# KiCad board Farallon EtherMac LC Comm Slot Card 10Base-T v1.2.kicad_pcb
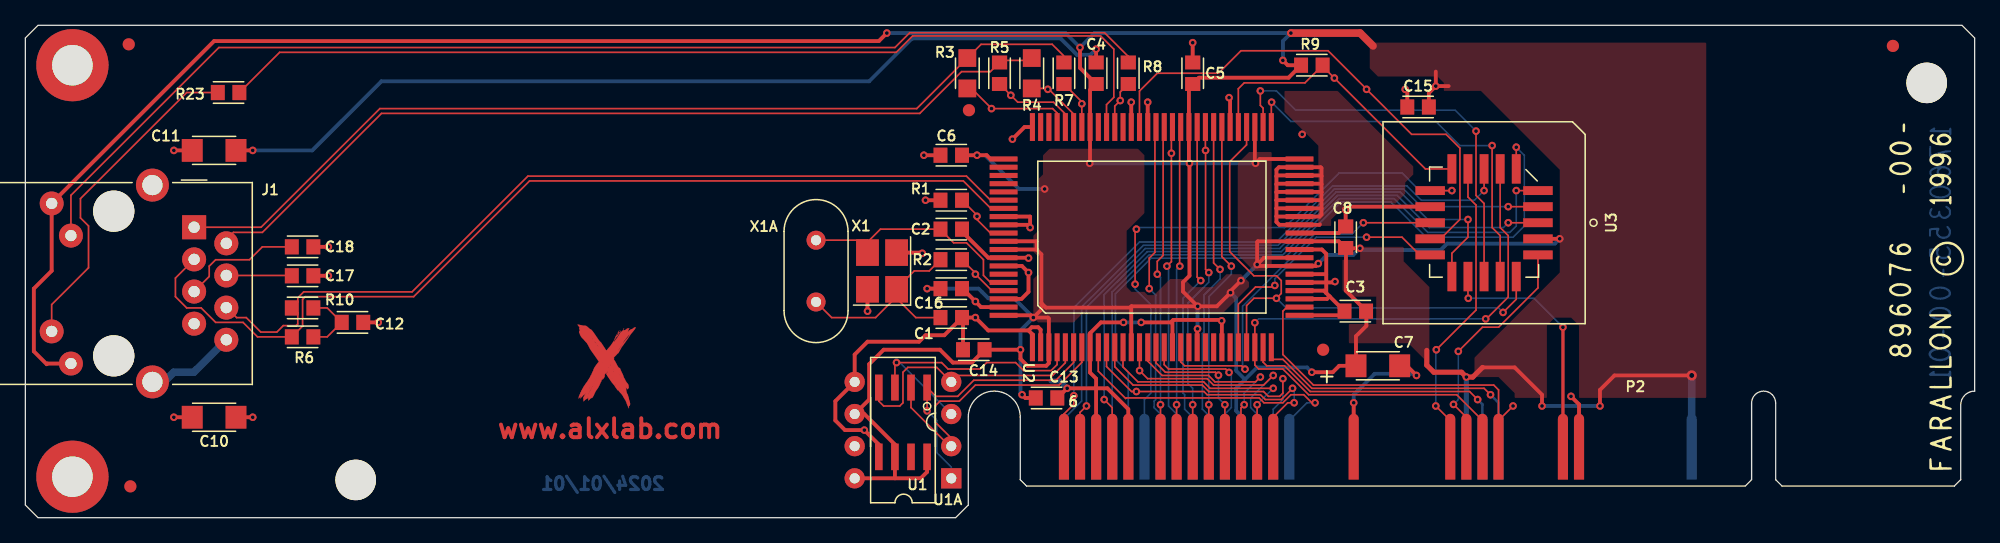
[diagram p0: board, top side]
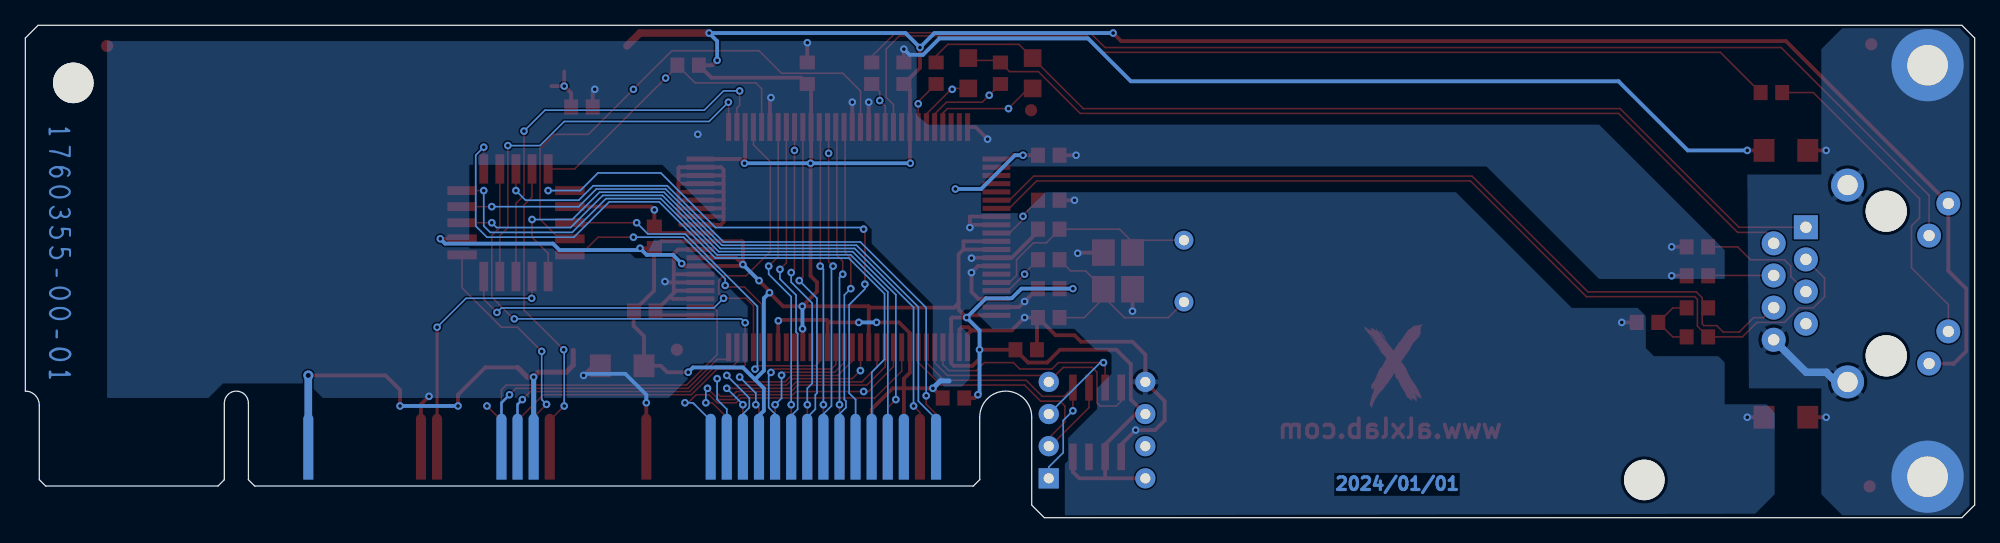
[diagram p1: board, bottom side, seen from below]

Outline 153.8 x 38.9 mm; copper layers: Top, Bottom. Coordinates in mm from the lower left corner of the outline.
Outline path: 1,38.9 0,37.9 0,1 1,0 73.4,0 74.4,1 74.4,7.95 arc(76.45,10) 78.5,7.95 78.5,3 79,2.5 ; 1,38.9 152.8,38.9 153.8,37.9 153.8,10 arc(153.03,9.68) 152.7,8.9 152.7,3 152.2,2.5 138.6,2.5 138.1,3 138.1,9.05 arc(137.15,10) 136.2,9.05 136.2,3 135.7,2.5 79,2.5
Stack: Top 0.035mm / dielectric 1.51mm FR4 er 4.5 / Bottom 0.035mm

## Placement (name value [footprint] x y rotation side)
C1  22pf  [Farallon_C_0603_1608Metric_Pad1.10x1.20mm_HandSolder]  73.06 15.81 0 top
C2  22pf  [Farallon_C_0603_1608Metric_Pad1.10x1.20mm_HandSolder]  73.06 22.79 180 top
C3  0.1uf  [Farallon_C_0603_1608Metric_Pad1.10x1.20mm_HandSolder]  104.94 16.32 0 top
C4  0.1uf  [Farallon_C_0603_1608Metric_Pad1.10x1.20mm_HandSolder]  84.49 35.11 270 top
C5  0.1uf  [Farallon_C_0603_1608Metric_Pad1.10x1.20mm_HandSolder]  92.11 35.11 270 top
C6  0.1uf  [Farallon_C_0603_1608Metric_Pad1.10x1.20mm_HandSolder]  73.06 28.64 0 top
C7  100uf 6.3V  [Farallon_C_1206_3216Metric_Pad1.65x1.80mm_HandSolder]  106.71 12 0 top
C8  0.1uf  [Farallon_C_0603_1608Metric_Pad1.10x1.20mm_HandSolder]  104.17 22.16 270 top
C10  1nf 2kv  [Farallon_C_1206_3216Metric_Pad1.65x1.80mm_HandSolder]  14.89 7.94 0 top
C11  1nf 2kv  [Farallon_C_1206_3216Metric_Pad1.65x1.80mm_HandSolder]  14.89 29.02 0 top
C12  0.1uf  [Farallon_C_0603_1608Metric_Pad1.10x1.20mm_HandSolder]  25.81 15.43 0 top
C13  0.1uf  [Farallon_C_0603_1608Metric_Pad1.10x1.20mm_HandSolder]  80.58 9.46 0 top
C14  0.1uf  [Farallon_C_0603_1608Metric_Pad1.10x1.20mm_HandSolder]  74.83 13.27 0 top
C15  0.1uf  [Farallon_C_0603_1608Metric_Pad1.10x1.20mm_HandSolder]  109.89 32.45 0 top
C16  0.1uf  [Farallon_C_0603_1608Metric_Pad1.10x1.20mm_HandSolder]  73.06 18.1 180 top
C17  0.1uf  [Farallon_C_0603_1608Metric_Pad1.10x1.20mm_HandSolder]  21.87 19.11 0 top
C18  0.1uf  [Farallon_C_0603_1608Metric_Pad1.10x1.20mm_HandSolder]  21.87 21.4 0 top
G***  LOGO  [Farallon_EtherMac_LC_Comm_Card_Back_Number]  151.04 20.89 90 top
G***#2  LOGO  [logo_7_front]  45.88 11.75 0 top
G***#3  LOGO  [Farallon_EtherMac_LC_Comm_Card_Front_Text]  150.02 17.46 90 top
H1  MountingHole_Pad  [MountingHole_3.2mm_M3_ISO7380_Pad_TopBottom]  3.71 35.75 0 top
H2  MountingHole_Pad  [MountingHole_3.2mm_M3_ISO7380_Pad_TopBottom]  3.71 3.24 0 top
J1  J0011D01BNL  [RJ45_Pulse_J0011D21xNL]  13.32 22.95 270 top
P2  -  [Farallon_EtherMac_LC_Comm_Card_BUS_Apple_Macintosh_Comm_Slot_I]  118.7 5.51 0 top
R1  22.1k  [Farallon_R_0603_1608Metric_Pad1.10x1.20mm_HandSolder]  73.06 25.08 0 top
R2  243  [Farallon_R_0603_1608Metric_Pad1.10x1.20mm_HandSolder]  73.06 20.38 0 top
R3  61.9  [Farallon_R_0805_2012Metric_Pad1.40x1.40mm_HandSolder]  74.33 35.11 270 top
R4  61.9  [Farallon_R_0805_2012Metric_Pad1.40x1.40mm_HandSolder]  79.41 35.11 270 top
R5  243  [Farallon_R_0603_1608Metric_Pad1.10x1.20mm_HandSolder]  76.87 35.11 270 top
R6  50  [Farallon_R_0603_1608Metric_Pad1.10x1.20mm_HandSolder]  21.87 14.29 0 top
R7  243  [Farallon_R_0603_1608Metric_Pad1.10x1.20mm_HandSolder]  81.95 35.11 90 top
R8  330  [Farallon_R_0603_1608Metric_Pad1.10x1.20mm_HandSolder]  87.03 35.11 90 top
R9  243  [Farallon_R_0603_1608Metric_Pad1.10x1.20mm_HandSolder]  101.51 35.75 180 top
R10  50  [Farallon_R_0603_1608Metric_Pad1.10x1.20mm_HandSolder]  21.87 16.57 0 top
R23  330  [Farallon_R_0603_1608Metric_Pad1.10x1.20mm_HandSolder]  16.04 33.59 180 top
REF**  -  [MountingHole_3.2mm_M3]  26.07 2.98 0 top
REF**#2  -  [MountingHole_3.2mm_M3]  150.02 34.35 0 top
U1  93C46C  [Farallon_SOIC-8_3.9x4.9mm_P1.27mm]  69.25 7.55 270 top
U1A1  93C46C  [Farallon_DIP-8_W7.62mm]  73.06 3.11 180 top
U2  SMC91C94QFP  [PQFP-100_14x20mm_P0.65mm_LongPad]  88.89 22.16 90 top
U3  GAL16V8  [Farallon_PLCC-20_SMD-Socket]  115.1 23.3 270 top
X1  20Mhz 16pf  [Crystal_SMD_3225-4Pin_3.2x2.5mm_HandSoldering]  67.59 19.49 90 top
X1A1  20Mhz 16pf  [Crystal_HC49-U_Vertical]  62.39 17.04 90 top  (not fitted)

## Library data of the parts
C1 C2 = -: LCSC: C1653; ki_fp_filters: C_*
C3-C6 C8 C12-C18 = -: LCSC: C14663; ki_fp_filters: C_*
C7 = -: LCSC: C15008; ki_fp_filters: C_*
C10 C11 = -: LCSC: C9196; ki_fp_filters: C_*
H1 H2 = -: ki_fp_filters: MountingHole*Pad*
J1 = -: Datasheet: https://productfinder.pulseeng.com/doc_type/WEB301/doc_num/J403/doc_part/J403.pdf; Description: 1 Port RJ45 Magjack Connector Through Hole 10/100 Base-T, AutoMDIX, PulseJack; ki_fp_filters: RJ45*Amphenol*RJMG1BD3B8K1ANR*
P2 = -: ki_fp_filters: LQFP*14x14mm*P0.5mm*
R1 = -: LCSC: C25961; ki_fp_filters: R_*
R2 R5 R7 R9 = -: LCSC: C706060; ki_fp_filters: R_*
R3 R4 = -: LCSC: C322537; ki_fp_filters: R_*
R6 R10 = -: LCSC: C23185; ki_fp_filters: R_*
R8 R23 = -: LCSC: C22962; ki_fp_filters: R_*
U1 = -: Description: Serial EEPROM, 93 Series, with ORG Pin, 5.0V, DIP-8/SOIC-8
U1A1 = -: Datasheet: http://ww1.microchip.com/downloads/en/DeviceDoc/20001749K.pdf; LCSC: C5289485; ki_fp_filters: DIP*W7.62mm* SOIC*3.9x4.9mm*
U2 = -: Datasheet: https://www.datasheets360.com/pdf/8063401169153099823; ki_fp_filters: LQFP*14x14mm*P0.5mm*
U3 = -: LCSC: C6548184; ki_fp_filters: DIP* PDIP* SOIC* SO* PLCC*
X1 = -: LCSC: C2848211; ki_fp_filters: Crystal*
X1A1 = -: ki_fp_filters: Crystal*

## Footprints (pads in the part's own frame, mm; a bottom-side part is the same pattern mirrored in y, then rotated)
Crystal_HC49-U_Vertical
  round 1.5 hole 0.8: 1(0,0) 2(4.88,0)
Crystal_SMD_3225-4Pin_3.2x2.5mm_HandSoldering
  rect 2.1x1.8 smd: 1(-1.45,-1.15) 2(1.45,-1.15) 3(1.45,1.15) 4(-1.45,1.15)
Farallon_C_0603_1608Metric_Pad1.10x1.20mm_HandSolder
  rect 1.1x1.2 smd: 1(-0.85,0) 2(0.85,0)
Farallon_C_1206_3216Metric_Pad1.65x1.80mm_HandSolder
  rect 1.65x1.8 smd: 1(-1.725,0) 2(1.725,0)
Farallon_DIP-8_W7.62mm
  rect 1.6x1.6 hole 0.8: 1(0,0)
  oval 1.6x1.6 hole 0.8: 2(0,-2.54) 3(0,-5.08) 4(0,-7.62) 5(7.62,-7.62) 6(7.62,-5.08) 7(7.62,-2.54) 8(7.62,0)
Farallon_EtherMac_LC_Comm_Card_BUS_Apple_Macintosh_Comm_Slot_I
  rrect 0.8x5.2 smd far side: 5(-36.755,0.1) 9(-34.215,0.1) 11(-32.945,0.1) 13(-31.675,0.1) 15(-30.405,0.1) 17(-29.135,0.1) 19(-27.865,0.1) 21(-26.595,0.1) 23(-25.325,0.1) 25(-24.055,0.1) 27(-22.785,0.1) 29(-21.515,0.1) 31(-20.245,0.1) 33(-18.975,0.1) 55(-5.005,0.1) 57(-3.735,0.1) 59(-2.465,0.1) 83(12.775,0.1)
  rrect 0.8x5.2 smd: 6(-36.755,0.1) 8(-35.485,0.1) 10(-34.215,0.1) 12(-32.945,0.1) 14(-31.675,0.1) 18(-29.135,0.1) 20(-27.865,0.1) 22(-26.595,0.1) 24(-25.325,0.1) 26(-24.055,0.1) 28(-22.785,0.1) 30(-21.515,0.1) 32(-20.245,0.1) 42(-13.895,0.1) 54(-6.275,0.1) 56(-5.005,0.1) 58(-3.735,0.1) 60(-2.465,0.1) 68(2.615,0.1) 70(3.885,0.1)
Farallon_PLCC-20_SMD-Socket
  rect 0.7x2.325 smd: 1(0,4.253) 2(-1.27,4.253) 3(-2.54,4.253) 9(-2.54,-4.253) 10(-1.27,-4.253) 11(0,-4.253) 12(1.27,-4.253) 13(2.54,-4.253) 19(2.54,4.253) 20(1.27,4.253)
  rect 2.325x0.7 smd: 4(-4.253,2.54) 5(-4.253,1.27) 6(-4.253,0) 7(-4.253,-1.27) 8(-4.253,-2.54) 14(4.253,-2.54) 15(4.253,-1.27) 16(4.253,0) 17(4.253,1.27) 18(4.253,2.54)
Farallon_R_0603_1608Metric_Pad1.10x1.20mm_HandSolder
  rect 1.1x1.2 smd: 1(-0.85,0) 2(0.85,0)
Farallon_R_0805_2012Metric_Pad1.40x1.40mm_HandSolder
  rect 1.4x1.4 smd: 1(-1.2,0) 2(1.2,0)
Farallon_SOIC-8_3.9x4.9mm_P1.27mm
  rect 2.05x0.6 smd: 1(-2.725,1.905) 2(-2.725,0.635) 3(-2.725,-0.635) 4(-2.725,-1.905)
  rect 2.1x0.6 smd: 5(2.75,-1.905) 6(2.75,-0.635) 7(2.75,0.635) 8(2.75,1.905)
MountingHole_3.2mm_M3
  round 3.2 hole 3.2 unplated: (0,0)
MountingHole_3.2mm_M3_ISO7380_Pad_TopBottom
  round 3.6 hole 3.2: 1(0,0)
  round 5.7 smd: 1(0,0)
  round 5.7 smd far side: 1(0,0)
PQFP-100_14x20mm_P0.65mm_LongPad
  rect 2.2x0.4 smd: 1(-8.7,9.425) 2(-8.7,8.775) 3(-8.7,8.125) 4(-8.7,7.475) 5(-8.7,6.825) 6(-8.7,6.175) 7(-8.7,5.525) 8(-8.7,4.875) 9(-8.7,4.225) 10(-8.7,3.575) 11(-8.7,2.925) 12(-8.7,2.275) 13(-8.7,1.625) 14(-8.7,0.975) 15(-8.7,0.325) 16(-8.7,-0.325) 17(-8.7,-0.975) 18(-8.7,-1.625) 19(-8.7,-2.275) 20(-8.7,-2.925) 21(-8.7,-3.575) 22(-8.7,-4.225) 23(-8.7,-4.875) 24(-8.7,-5.525) 25(-8.7,-6.175) 26(-8.7,-6.825) 27(-8.7,-7.475) 28(-8.7,-8.125) 29(-8.7,-8.775) 30(-8.7,-9.425) 51(8.7,-9.425) 52(8.7,-8.775) 53(8.7,-8.125) 54(8.7,-7.475) 55(8.7,-6.825) 56(8.7,-6.175) 57(8.7,-5.525) 58(8.7,-4.875) 59(8.7,-4.225) 60(8.7,-3.575) 61(8.7,-2.925) 62(8.7,-2.275) 63(8.7,-1.625) 64(8.7,-0.975) 65(8.7,-0.325) 66(8.7,0.325) 67(8.7,0.975) 68(8.7,1.625) 69(8.7,2.275) 70(8.7,2.925) 71(8.7,3.575) 72(8.7,4.225) 73(8.7,4.875) 74(8.7,5.525) 75(8.7,6.175) 76(8.7,6.825) 77(8.7,7.475) 78(8.7,8.125) 79(8.7,8.775) 80(8.7,9.425)
  rect 0.4x2.2 smd: 31(-6.175,-11.65) 32(-5.525,-11.65) 33(-4.875,-11.65) 34(-4.225,-11.65) 35(-3.575,-11.65) 36(-2.925,-11.65) 37(-2.275,-11.65) 38(-1.625,-11.65) 39(-0.975,-11.65) 40(-0.325,-11.65) 41(0.325,-11.65) 42(0.975,-11.65) 43(1.625,-11.65) 44(2.275,-11.65) 45(2.925,-11.65) 46(3.575,-11.65) 47(4.225,-11.65) 48(4.875,-11.65) 49(5.525,-11.65) 50(6.175,-11.65) 81(6.175,11.7) 82(5.525,11.7) 83(4.875,11.7) 84(4.225,11.7) 85(3.575,11.7) 86(2.925,11.7) 87(2.275,11.7) 88(1.625,11.7) 89(0.975,11.7) 90(0.325,11.7) 91(-0.325,11.7) 92(-0.975,11.7) 93(-1.625,11.7) 94(-2.275,11.7) 95(-2.925,11.7) 96(-3.575,11.7) 97(-4.225,11.7) 98(-4.875,11.7) 99(-5.525,11.7) 100(-6.175,11.7)
RJ45_Pulse_J0011D21xNL
  round 3.25 hole 3.25 unplated: (-1.27,-6.34) (10.16,-6.34)
  rect 1.9x1.9 hole 0.9: 1(0,0)
  round 1.9 hole 0.9: 2(1.27,2.54) 3(2.54,0) 4(3.81,2.54) 5(5.08,0) 6(6.35,2.54) 7(7.62,0) 8(8.89,2.54)
  round 1.89 hole 0.89: 9(-1.88,-11.24) 10(0.66,-9.72) 11(8.23,-11.24) 12(10.77,-9.72)
  round 2.6 hole 1.6: SH(-3.33,-3.29) SH(12.22,-3.29)

## Nets
+5V: C3.2 C4.2 C5.2 C6.2 C7.1 C8.2 C13.1 C14.2 C15.2 C16.2 J1.9 J1.12 P2.27 P2.55 P2.83 R9.2 U1.6 U1.8 U1A1.6 U1A1.8 U2.3 U2.13 U2.21 U2.37 U2.38 U2.40 U2.50 U2.53 U2.61 U2.73 U2.81 U2.91 U2.92 U2.100 U3.20
GND: C1.2 C2.1 C3.1 C4.1 C5.1 C6.1 C7.2 C8.1 C10.2 C11.2 C12.2 C13.2 C14.1 C15.1 C16.1 C17.2 C18.2 P2.10 P2.14 P2.42 P2.70 R1.1 U1.5 U1A1.5 U2.1 U2.2 U2.8 U2.18 U2.24 U2.31 U2.33 U2.34 U2.35 U2.36 U2.39 U2.41 U2.42 U2.43 U2.44 U2.45 U2.46 U2.47 U2.48 U2.49 U2.56 U2.66 U2.68 U2.80 U2.88 U2.89 U2.93 U2.94 U2.98 U2.99 U3.10 X1.2 X1.4
//DS: P2.6 U3.6
//DSACK1: P2.8 U3.14
//IO.CS.DSACL: P2.54 U3.7
//RESET: P2.15 U3.9
//SACTO.IRQ: P2.56 U3.19
/A0: P2.58 U2.28 U3.5
/A1: P2.57 U2.29
/A2: P2.59 U2.30
/A3: P2.60 U2.32
/A11c: P2.68 U3.15
/BALE/nWE: U2.27 U2.54 U3.18
/C16M: P2.12 U3.1
/D0: P2.24 U2.57
/D1: P2.23 U2.58
/D2: P2.22 U2.59
/D3: P2.21 U2.60
/D4: P2.20 U2.62
/D5: P2.19 U2.63
/D6: P2.18 U2.64
/D7: P2.17 U2.65
/D8: P2.33 U2.9
/D9: P2.32 U2.10
/D10: P2.31 U2.11
/D11: P2.30 U2.12
/D12: P2.29 U2.14
/D13: P2.28 U2.15
/D14: P2.26 U2.16
/D15: P2.25 U2.17
/EECS: U1.1 U1A1.1 U2.6
/EED0: U1.3 U1A1.3 U2.4
/EEDI: U1.4 U1A1.4 U2.5
/EESK: U1.2 U1A1.2 U2.7
/INTR0: U2.19 U3.11
/IOSIZE(0): P2.11 U3.3
/IOSIZE(1): P2.13 U3.4
/nIORD: U2.51 U3.17
/nIOWR: U2.52 U3.16
/nLNKLED: R8.1 U2.70
/nRXLED: R23.1 U2.71
/nSBHE/nCE2: U2.26 U3.13
/nWAIT: R9.1 U2.55 U3.8
/RD+: J1.3 R6.1 U2.87
/RD-: J1.6 R10.1 U2.86
/RESET: U2.67 U3.12
/RW: P2.5 U3.2
/SHIELD: C10.1 C11.1 H1.1 H2.1 J1.8 J1.SH
/TD+: J1.1 R3.1 R7.2
/TD-: J1.2 R4.1 R5.1
Net-(C1-Pad1): C1.1 R2.1 X1.1 X1A1.1
Net-(C12-Pad1): C12.1 R6.2 R10.2
Net-(J1-GLED-): J1.10 R8.2
Net-(J1-RCT): C18.1 J1.5
Net-(J1-TCT): C17.1 J1.4
Net-(J1-YLED-): J1.11 R23.2
Net-(U2-RBIAS): R1.2 U2.90
Net-(U2-TPETXDN): R5.2 U2.76
Net-(U2-TPETXDP): R7.1 U2.74
Net-(U2-TPETXN): R4.2 U2.75
Net-(U2-TPETXP): R3.2 U2.77
Net-(U2-XTAL1): C2.2 U2.96 X1.3 X1A1.2
Net-(U2-XTAL2): R2.2 U2.97

Pads without a net: J1 7; P2 9; U1 7; U1A1 7; U2 20 22 23 25 69 72 78 79 82 83 84 85 95

## Via types
v1: diameter 0.6, hole 0.3, Top to Bottom, 132 vias
v2: diameter 0.8, hole 0.4, Top to Bottom, 1 via

## Routing (per net, layer and track width the routed paths; a pad name or vN(x,y) marks a point on that pad's centre or on a via; arc(x,y) is an arc through that point)
+5V: length 409.1
  Top w0.3: 87.28,16.7 87.18,16.59 80.53,16.59 80.17,16.95 ; 87.28,16.7 v1(92.5,16.7) ; 87.28,16.7 87.26,16.68 87.26,13.36 ; v1(124.24,8.82) 124.24,10.09 125.38,11.24 v2(131.48,11.24) ; 83.93,28.05 v1(83.98,28) 84.01,28.03 84.01,33.78 C4.2 83.22,35.53 v1(83.22,37.15) ; v1(97.19,20) 97.73,20.54 U2.38 ; v1(97.19,20) 97.19,21.78 97.25,21.84 103.62,21.84 104.17,21.28 v1(105.3,21.28) ; v1(97.19,20) 97.3,19.89 U2.37 101.83,19.89 v1(102.02,20.08) ; v1(99.22,36.13) 99.6,35.75 R9.2 99.67,34.76 92.6,34.76 C5.2 91.81,33.96 91.81,28.05 v1(91.85,28) 91.85,19.11 91.34,18.6 91.34,17.86 v1(92.5,16.7) ; v1(111.29,34.1) 110.74,33.55 C15.2 ; v1(111.29,34.1) 111.29,35.24 ; v1(111.29,34.1) 112.3,34.1 ; U1A1.6 66.58,9.33 66.58,12.13 67.72,13.27 72.17,13.27 73.18,12.25 74.68,12.25 75.7,13.27 v1(78.52,13.27) 78.52,12.55 79.07,12 80.55,12 80.76,12.21 80.76,15.73 80.68,15.81 v1(79.53,15.81) ; U1A1.6 66.2,8.19 68.61,5.78 68.61,3.11 ; U1A1.6 65.44,8.21 ; v1(67.98,38.29) 67.34,37.65 14.89,37.65 2.08,24.84 ; C13.1 78.9,9.46 v1(78.64,9.71) ; v1(95.92,18.73) 95.09,17.91 v1(95.09,17.78) 94.01,16.7 v1(92.5,16.7) ; C6.2 v1(75.09,28.64) 75.85,28.64 76.15,28.34 77.18,28.34 ; J1.12 1.74,12.18 1.69,12.13 0.67,13.14 0.67,18.1 2.08,19.5 J1.9 ; 77.18,15.99 79.35,15.99 v1(79.53,15.81) ; v1(119.67,8.82) 119.67,9.71 117.51,11.87 114.97,11.87 ; U1.8 71.15,3.62 70.64,3.11 65.42,3.11 ; 92.38,14.81 v1(92.49,14.92) 92.46,14.89 92.46,13.36 ; v1(71.15,18.1) C16.2 ; 79.79,21.19 80.17,20.81 80.17,16.95 ; 79.79,21.19 79.79,21.84 77.18,21.84 ; 79.79,21.19 77.18,21.19 ; v1(79.53,15.81) 80.17,16.44 80.17,16.95 ; v1(101.51,11.49) 103.16,11.49 103.67,12 C7.1 104.99,14.34 105.81,15.16 105.81,16.32 104.2,17.93 104.2,21.26 ; v1(121.07,22.03) U3.20 ; U2.53 97.01,28.05 v1(97.06,28) 97.4,28.34 U2.50
  Top w0.4: 114.97,11.87 114.21,11.11 v1(113.7,11.11) 113.32,11.49 111.13,11.49 110.58,12.05 110.58,13.22
  Top w0.6: 106.33,37.27 105.32,38.29 v1(99.86,38.29)
  Bottom w0.3: v1(92.49,14.92) 92.49,16.68 v1(92.5,16.7) ; v1(121.07,22.03) 120.68,21.65 112.18,21.65 111.67,21.14 105.44,21.14 v1(105.3,21.28) 104.78,20.76 102.7,20.76 v1(102.02,20.08) ; 95.92,18.73 v1(97.19,20) ; v1(78.64,9.71) 78.52,9.84 v1(78.52,13.27) 78.52,14.79 v1(79.53,15.81) 78.01,17.33 75.98,17.33 75.21,18.1 v1(71.15,18.1) ; 95.92,5.9 95.92,8.06 95.53,8.44 95.53,10.22 96.23,10.92 95.53,11.62 95.53,17.33 v1(95.09,17.78) ; v1(80.42,25.97) 78.39,25.97 75.72,28.64 v1(75.09,28.64) ; v1(119.67,8.82) v1(124.24,8.82) ; 96.24,10.92 97.19,11.87 101.13,11.87 v1(101.51,11.49) ; v1(97.06,28) 91.86,28 ; v1(67.98,38.29) 82.07,38.29 v1(83.22,37.15) 84.36,38.29 v1(99.86,38.29) 99.22,37.65 v1(99.22,36.13) ; v1(91.85,28) v1(83.98,28)
  Bottom w0.4: v1(113.7,11.11) 113.7,5.9
  Bottom w0.6: 131.48,5.9 131.48,11.24 v2(131.48,11.24)
GND: length 267.7
  Top w0.127: 74.92,17.08 v1(74.96,17.08) 74.96,17.04
  Top w0.3: C16.1 73.94,18.1 v1(74.96,17.08) 75.4,16.64 77.18,16.64 ; 100.68,26.39 102.23,26.39 102.27,26.35 ; U1.5 67.34,5.78 v1(66.2,6.92) 64.67,6.92 63.91,7.68 63.91,9.21 U1A1.5 65.44,12.89 66.45,13.9 70.52,13.9 71.02,14.41 72.51,14.41 C1.2 ; 102.64,17.75 102.9,17.49 ; 102.64,17.75 102.45,17.94 U2.34 ; 102.64,17.75 102.64,20.85 102.3,21.19 U2.39 ; 102.9,17.49 102.71,17.29 100.68,17.29 ; 102.9,17.49 104.06,16.33 104.06,16.32 103.73,15.99 U2.31 ; 79.46,30.86 78.84,30.86 v1(77.88,29.91) ; C12.2 v1(27.84,15.43) ; 95.06,30.86 95.06,33.1 v1(94.98,33.18) ; C1.2 73.98,15.73 C14.1 ; C1.2 v1(74.96,15.81) 75.98,14.79 79.15,14.79 ; C1.2 73.92,15.81 ; 92.11,36.47 v1(92.11,37.53) ; 102.27,26.35 102.27,26.99 ; 102.27,26.35 102.27,25.72 ; 102.27,26.99 102.27,27.62 102.2,27.69 U2.49 ; 102.27,26.99 102.22,27.04 U2.48 98.77,27.04 98.71,26.99 ; 77.18,17.29 78.6,17.29 79.15,17.84 v1(79.15,19.37) 78.63,19.89 77.18,19.89 ; 98.71,25.08 98.72,25.09 U2.45 ; 98.71,25.08 98.71,24.45 ; 98.71,25.08 98.71,25.72 ; P2.42 104.81,9.08 v1(104.81,9.08) ; C13.2 81.44,9.46 v1(82.2,10.22) 85.37,10.22 87.02,8.57 87.02,5.9 ; v1(88.04,15.43) 90.39,15.43 90.58,15.62 ; 79.46,13.46 79.46,14.49 79.15,14.79 ; C2.1 73.91,22.61 75.98,20.54 79.12,20.54 v1(79.15,20.51) ; 102.26,25.09 102.27,25.08 102.27,24.45 ; 102.26,25.09 102.26,25.71 102.27,25.72 ; 102.26,25.09 100.68,25.09 ; 66.45,18.04 X1.4 66.44,16.32 v1(66.45,16.32) ; 98.71,26.35 98.75,26.39 U2.47 ; 98.71,26.35 98.71,26.99 ; 98.71,26.35 98.71,25.72 ; v1(109.76,11.24) 109,12 C7.2 ; 79.15,14.79 79.41,15.05 79.91,15.05 80.11,14.85 80.11,13.46 ; 77.18,23.79 79.28,23.79 v1(79.28,22.92) 79.06,23.14 77.18,23.14 ; C17.2 v1(23.91,19.11) ; X1.2 70.72,20.94 v1(70.77,20.89) ; 102.27,24.45 102.26,24.44 U2.44 98.72,24.44 98.71,24.45 ; 102.27,24.45 102.27,23.94 102.12,23.79 U2.43 98.74,23.79 98.71,23.81 ; 90.58,15.62 94.32,15.62 v1(94.39,15.56) 94.41,15.54 94.41,13.46 ; 90.58,15.62 90.51,15.55 90.51,13.46 ; 102.27,25.72 102.25,25.74 100.68,25.74 ; 98.71,24.45 98.71,23.81 ; C18.2 v1(23.91,21.4) ; v1(121.95,9.59) 122.59,8.95 122.59,5.9 ; 98.71,26.99 98.71,27.49 98.91,27.69 100.55,27.69 ; R1.1 v1(71.02,25.08) ; U2.46 98.74,25.74 98.71,25.72 ; 98.71,23.81 98.71,23.37 98.94,23.14 U2.42 102.1,23.14 102.14,23.18 ; v1(86.64,15.43) 84.86,15.43 84.01,14.57 84.01,11.46 84.49,10.98 84.49,10.35 84.48,5.9 ; U2.35 103.27,18.59 ; C15.1 109.04,33.68 v1(108.87,33.84) ; 84.49,36.48 v1(84.49,37.02) ; v1(88.56,32.83) 88.56,30.86 ; U2.36 102.64,19.24 ; v1(87.26,32.83) 87.26,30.86 ; C10.2 v1(17.94,7.94) ; U2.41 103.63,22.49 104.17,23.03 v1(104.17,24.32) 104.43,24.57 U3.10 ; C11.2 v1(17.94,29.02) ; C6.1 v1(70.9,28.64)
  Top w0.4: 103.27,18.59 v1(103.34,18.65) ; 81.44,9.47 C13.2
  Bottom w0.3: v1(86.64,15.43) v1(88.04,15.43) ; v1(17.94,29.02) 22.64,29.02 28.1,34.48 66.58,34.48 69.96,37.86 81.69,37.86 81.69,37.85 82.98,36.57 84.04,36.57 v1(84.49,37.02) ; v1(104.81,9.08) 104.81,9.71 106.46,11.36 109.64,11.36 v1(109.76,11.24)
  Bottom w0.4: 80.93,10.81 81.62,10.81 v1(82.2,10.22)
  vias: v1(100.75,30.29)
//DS: length 50.2
  Top w0.127: 81.95,5.61 81.95,8.19 82.73,8.97 v1(82.73,9.63) ; v1(115.1,25.84) U3.6
  Bottom w0.127: v1(82.73,9.63) 82.73,16.59 87.91,21.78 98.71,21.78 103.16,26.22 109,26.22 110.14,25.08 114.33,25.08 v1(115.1,25.84)
//DSACK1: length 51
  Top w0.127: 83.21,5.61 83.21,8.32 v1(83.72,8.82) ; U3.14 112.56,20.89 113.83,22.16 v1(113.83,23.56)
  Bottom w0.127: v1(113.83,23.56) 110.65,23.56 108.49,25.72 103.41,25.72 98.97,21.27 88.38,21.27 ; v1(83.72,8.82) 83.72,16.62 88.37,21.27
//IO.CS.DSACL: length 23.7
  Top w0.127: U3.7 113.83,25.33 114.46,24.7 114.46,16.4 v1(111.33,13.27) ; 112.43,5.9 112.43,7.68 v1(111.29,8.82)
  Bottom w0.127: v1(111.33,13.27) 111.29,13.23 v1(111.29,8.82)
//RESET: length 46.7
  Top w0.127: v1(87.56,18.45) 87.56,22.69 v1(87.66,22.79) ; v1(112.56,25.84) U3.9
  Bottom w0.127: v1(112.56,25.84) 110.02,25.84 108.62,27.24 103.67,27.24 99.35,22.92 87.79,22.92 v1(87.66,22.79) ; v1(87.56,18.45) 87.56,18.07 88.8,16.83 88.8,9.84 88.3,9.33 88.3,5.9
//SACTO.IRQ: length 18.9
  Top w0.127: 119.35,20.7 119.35,18.16 116.24,15.05 114.97,15.05 v1(113.06,13.14) 113.19,13.14 ; 113.7,5.9 113.7,7.94 v1(112.68,8.95)
  Bottom w0.127: v1(112.68,8.95) 113.06,9.33 v1(113.06,13.14)
/A0: length 56.2
  Top w0.127: 114.97,5.9 114.97,7.68 112.94,9.71 101.25,9.71 99.22,11.75 97.32,11.75 97.01,12.05 U2.28 ; 116.15,27.24 116.16,27.25 ; v1(97.01,15.4) 97.01,13.44 ; U3.5 116.37,22.92 117,22.29 117,17.43 115.28,15.71 v1(115.22,15.71)
  Bottom w0.127: v1(115.22,15.71) 97.32,15.71 v1(97.01,15.4)
/A1: length 22.9
  Top w0.127: U2.29 97.66,12.29 97.95,12 99.35,12 101.38,9.97 113.95,9.97 v1(114.59,9.33)
  Bottom w0.2: v1(114.59,9.33) 114.97,8.95 114.97,5.9
/A2: length 23.5
  Top w0.127: U2.30 98.31,12.53 98.33,12.51 99.22,12.51 101.51,10.22 115.1,10.22 v1(115.6,9.71)
  Bottom w0.2: 116.24,5.9 116.24,9.08 v1(115.6,9.71)
/A3: length 27.1
  Top w0.127: v1(117.38,8.82) 116.24,7.68 116.24,10.1 115.86,10.48 101.63,10.48 99.22,12.89 99.22,16.32 99.54,16.64 U2.32
/A11c: length 19.3
  Top w0.127: U3.15 113.83,17.36 v1(113.85,17.33)
  Top w0.25: v1(121.32,15.05) 121.32,5.9
  Bottom w0.127: v1(121.32,15.05) 119.03,17.33 v1(113.85,17.33)
/BALE/nWE: length 45.1
  Top w0.127: 96.36,16.76 96.94,17.33 v1(98.71,17.33) 99.09,17.71 99.09,18.73 98.71,19.11 96.94,19.11 95.03,21.02 ; v1(116.59,16.22) 117.64,17.26 117.64,19.67 ; 95.03,21.02 95.03,28.13 96.36,29.46 96.36,30.86 ; 96.36,13.46 96.36,16.76
  Bottom w0.127: v1(116.59,16.22) 116.24,16.57 99.48,16.57 v1(98.71,17.33)
/C16M: length 50.7
  Top w0.127: v1(85.12,9.33) 85.75,8.7 85.75,5.9 ; v1(117,23.3) U3.1
  Bottom w0.127: 88.53,21.02 99.09,21.02 103.54,25.46 108.24,25.46 110.78,22.92 116.62,22.92 v1(117,23.3) ; v1(85.12,9.33) 85.12,17.61 88.52,21.02
/D0: length 26
  Top w0.127: 94.41,30.86 94.41,20.62 v1(95.15,19.87) ; 93.37,5.9 v1(93.37,8.93)
  Bottom w0.127: v1(93.38,8.93) 93.38,17.46 95.15,19.24 v1(95.15,19.87)
/D1: length 26.1
  Top w0.127: 93.76,30.96 93.76,20.13 v1(94.26,19.62)
  Bottom w0.127: v1(94.26,19.62) 94.26,18.86 92.99,17.59 92.99,14.67 92.87,14.54 92.87,8.57 93.37,8.06 93.37,5.9
/D2: length 26.2
  Top w0.127: 92.11,5.9 v1(92.11,8.93) ; v1(93.12,29.02) 93.12,19.62 v1(93.38,19.37) ; v1(93.12,29.02) 93.11,29.03 93.11,30.96 ; v1(93.12,29.02) 93.03,28.92
  Bottom w0.127: v1(92.11,8.93) 92.11,10.22 91.72,10.6 91.72,16.95 93.38,18.6 v1(93.38,19.37)
/D3: length 26.4
  Top w0.127: 92.46,30.96 92.46,19.01 v1(92.74,18.73) 92.49,18.98
  Bottom w0.127: 92.11,5.9 92.11,7.94 91.47,8.57 91.47,9.71 91.34,9.84 91.34,17.33 v1(92.74,18.73)
/D4: length 25.2
  Top w0.127: 91.08,30.96 91.08,19.89 v1(91.09,19.87) ; 90.83,5.9 v1(90.83,8.93)
  Bottom w0.127: v1(90.84,8.93) 90.84,19.62 v1(91.09,19.87)
/D5: length 27.7
  Top w0.127: 90.43,30.96 v1(90.43,28.79) 90.43,20.23 v1(90.07,19.87)
  Bottom w0.127: v1(90.07,19.87) 90.2,19.75 90.2,8.82 90.83,8.19 90.83,5.9 90.83,8.06
/D6: length 25.4
  Top w0.127: 89.78,30.96 89.78,20.72 89.31,20.25 v1(89.31,19.24) ; 89.56,5.9 v1(89.56,8.93)
  Bottom w0.127: v1(89.57,8.93) 89.57,18.98 v1(89.31,19.24)
/D7: length 25.7
  Top w0.127: 89.13,30.96 89.13,20.96 88.68,20.51 v1(88.68,18.1)
  Bottom w0.127: v1(88.68,18.1) 89.18,17.59 89.18,9.33 89.06,9.21 89.06,8.7 89.56,8.19 89.56,5.9
/D8: length 25
  Top w0.127: 86.81,9.42 84.66,11.57 84.66,13.46 ; v1(101.76,9.08) 101.51,9.08 100.87,9.71 99.86,9.71 99.22,9.08 97.73,9.08 97.35,9.46 86.86,9.46 86.82,9.42
  Bottom w0.127: 99.73,5.9 99.73,7.68 101.13,9.08 v1(101.76,9.08)
/D9: length 23
  Top w0.127: v1(99.98,10.22) 99.09,9.33 97.84,9.33 97.45,9.71 93.25,9.71 92.99,9.97 v1(87.66,9.97) 87.28,9.97 85.31,11.94 85.31,13.46 ; v1(100.11,9.08) 99.6,9.08 98.46,7.94 98.46,5.9
  Bottom w0.127: v1(100.11,9.08) 100.11,10.09 v1(99.98,10.22)
/D10: length 22.4
  Top w0.127: v1(99.22,10.98) 99.22,9.84 98.97,9.59 98.08,9.59 97.7,9.97 93.38,9.97 92.87,10.48 87.41,10.48 85.96,11.93 85.96,13.46
  Bottom w0.127: v1(99.22,10.98) 99.22,9.33 98.46,8.57 98.46,5.9
/D11: length 18.9
  Top w0.127: v1(97.19,8.93) 97.19,8.93 97.19,5.9 ; v1(98.46,10.22) 93.48,10.22 ; 86.61,13.46 86.61,11.91 87.79,10.73 92.97,10.73 93.48,10.22
  Bottom w0.127: v1(97.19,8.93) 97.19,8.95 v1(98.46,10.22)
/D12: length 19.6
  Top w0.127: 87.91,13.46 87.91,11.63 v1(87.91,11.62) ; v1(87.91,11.62) 88.55,10.98 93.25,10.98 93.76,10.48 97.7,10.48 v1(98.46,11.24) ; v1(87.91,11.62) 87.91,11.75
  Bottom w0.127: v1(98.46,11.24) 96.68,9.46 96.68,8.7 97.19,8.19 97.19,5.9
/D13: length 16.7
  Top w0.127: v1(97.44,11.11) 97.06,10.73 93.86,10.73 93.35,11.24 89.69,11.24 88.56,12.37 88.56,13.46 ; 95.92,5.9 95.92,8.67 v1(96.17,8.93)
  Bottom w0.127: v1(96.17,8.93) 96.17,9.84 ; 96.17,9.84 v1(97.44,11.11)
/D14: length 12.2
  Top w0.127: v1(94.14,11.26) 93.9,11.49 89.95,11.49 89.21,12.23 89.21,13.46 ; 94.64,5.9 v1(94.64,8.93)
  Bottom w0.127: 94.65,8.95 v1(94.65,8.93) 94.14,9.43 v1(94.14,11.26)
/D15: length 12.6
  Top w0.127: v1(94.98,11.48) 94.71,11.75 90.2,11.75 89.86,12.09 89.86,13.46
  Bottom w0.127: v1(94.98,11.48) 94.98,11.42 95.15,11.24 95.15,8.7 94.64,8.19 94.64,5.9
/EECS: length 22.1
  Top w0.127: v1(71.15,8.44) U1.1 71.84,9.59 73.56,9.59 74.83,10.86 81.31,10.86 82.71,12.25 82.71,13.46
  Bottom w0.127: 73.04,3.11 U1A1.1 73.06,4 71.91,5.14 71.91,7.68 v1(71.15,8.44)
/EED0: length 23
  Top w0.127: 81.41,13.46 81.41,12.1 80.93,11.62 78.77,11.62 78.14,12.25 75.85,12.25 75.34,11.75 72.8,11.75 72.29,12.25 v1(68.74,12.25) 68.61,12.13 U1.3
  Bottom w0.127: v1(68.74,12.25) 68.99,12.25 U1A1.3 ; 72.79,7.95 72.81,7.95
/EEDI: length 20.9
  Top w0.127: 82.06,13.46 82.06,12.24 81.06,11.24 73.56,11.24 U1A1.4 71.91,11.87 69.63,11.87 69.25,11.49 69.25,9.08 68.99,8.82 67.72,8.82 67.34,9.21 U1.4
/EESK: length 23.9
  Top w0.127: U1.2 69.88,8.7 72.93,5.65 U1A1.2 73.06,6.28 71.79,7.55 71.79,8.82 72.17,9.21 73.69,9.21 74.96,10.48 81.56,10.48 83.36,12.27 83.36,13.46
/INTR0: length 29.1
  Top w0.127: v1(105.57,23.3) U3.11 ; 91.16,13.46 91.16,12.31 91.47,12 95.97,12 v1(96.23,11.74)
  Bottom w0.127: 96.05,16.7 100.04,20.69 100.04,20.71 101.74,22.41 104.68,22.41 v1(105.57,23.3) ; 96.04,16.7 96.04,11.93 v1(96.23,11.74)
/IOSIZE(0): length 52.7
  Top w0.127: v1(117.64,25.84) U3.3
  Bottom w0.127: 85.75,5.9 85.75,17.84 88.68,20.76 ; 88.68,20.76 99.22,20.76 103.67,25.21 107.99,25.21 110.66,22.54 117.13,22.54 117.64,23.05 v1(117.64,25.84)
/IOSIZE(1): length 57.2
  Top w0.127: v1(117.64,29.27) U3.4
  Bottom w0.127: v1(117.64,29.27) 118.27,28.64 118.27,23.05 117.38,22.16 110.52,22.16 107.73,24.95 103.79,24.95 99.35,20.51 88.83,20.51 ; 88.83,20.51 86.01,17.69 86.01,12.51 87.02,11.49 87.02,5.9
/nIORD: length 31.4
  Top w0.127: U2.51 98.31,32.81 v1(98.33,32.83) ; v1(115.73,29.4) 115.73,22.92 116.37,22.29 U3.17
  Bottom w0.127: v1(115.73,29.4) 113.19,29.4 111.29,31.3 99.86,31.3 v1(98.33,32.83)
/nIOWR: length 33
  Top w0.127: v1(114.46,30.54) 114.46,25.46 115.1,24.83 U3.16 ; U2.52 97.66,32.36 97.44,32.57 v1(97.44,33.72)
  Bottom w0.127: v1(114.46,30.54) 112.81,32.19 100.24,32.19 98.71,33.72 v1(97.44,33.72)
/nLNKLED: length 3.8
  Top w0.127: R8.1 86.39,33.63 v1(86.39,32.95) 85.96,32.52 85.96,30.86
/nRXLED: length 77.7
  Top w0.127: R23.1 20.06,36.76 68.72,36.76 70.01,38.06 84.84,38.06 85.88,37.02 85.88,33.21 85.31,32.63 85.31,30.86
/nSBHE/nCE2: length 21.6
  Top w0.127: 95.71,16.87 97.06,18.22 98.46,18.22 v1(98.59,18.35) ; U3.13 110.02,20.76 108.62,22.16 v1(105.83,22.16) ; 95.71,13.46 95.71,16.87
  Bottom w0.127: v1(98.59,18.35) 98.59,18.88 101.87,22.16 v1(105.83,22.16)
/nWAIT: length 24.1
  Top w0.127: 95.71,30.86 95.71,33.89 96.17,34.35 ; 96.17,34.35 100.96,34.35 R9.1 102.36,35.66 v1(103.29,34.73) 110.46,27.56 U3.8
/RD+: length 77.5
  Top w0.127: 77.18,24.44 76.18,24.44 74.01,26.6 39.78,26.6 30.64,17.46 22.08,17.46 21.87,17.25 21.87,15.14 R6.1 18.32,14.29 17.18,15.43 15.02,15.43 13.87,16.57 12.73,16.57 11.84,17.46 11.84,18.93 J1.3
/RD-: length 69.7
  Top w0.127: 15.88,16.57 J1.6 15.88,16.6 16.67,15.81 17.43,15.81 18.57,14.67 19.84,14.67 20.35,15.17 21.37,15.17 21.49,15.3 21.49,16.19 21.11,16.57 R10.1 21.49,17.04 21.49,17.37 21.96,17.84 30.51,17.84 39.65,26.99 74.25,26.99 76.15,25.09 77.18,25.09
/RESET: length 41.2
  Top w0.127: 95.92,36.89 94.14,35.11 89.31,35.11 87.91,33.71 87.91,30.86 ; 95.92,36.89 102.79,36.89 105.83,33.85 v1(105.83,33.84) 109.38,30.29 112.1,30.29 113.19,29.19 113.19,23.57 111.66,22.03 U3.12
/RW: length 51.8
  Top w0.127: v1(117,24.57) U3.2
  Bottom w0.127: 81.95,5.9 81.95,7.81 83.34,9.21 83.34,16.65 88.22,21.52 ; 88.22,21.52 98.84,21.52 103.29,25.97 108.75,25.97 110.14,24.57 v1(117,24.57)
/SHIELD: length 10.1
  Top w0.3: C11.1 v1(11.72,29.02) ; C10.1 v1(11.72,7.94)
  Bottom w0.6: J1.SH 10.95,10.73 11.71,11.49 13.29,11.49 J1.8
/TD+: length 75
  Top w0.127: J1.1 18.6,22.95 27.97,32.32 70.33,32.32 R3.1 75.41,37.4 81.02,37.4 81.91,36.51 81.91,36.49
/TD-: length 69.8
  Top w0.127: R4.1 79.22,36.13 77.03,36.13 76.14,35.24 73.87,35.24 70.57,31.94 28.1,31.94 18.7,22.54 16.42,22.54 15.86,21.98 J1.2
Net-(C1-Pad1): length 17.4
  Top w0.127: X1.1 68.74,17.33 70.26,15.81 C1.1 ; X1.1 68.74,18.1 70.13,19.49 71.32,19.49 R2.1 ; X1.1 68.74,17.47 67.09,15.81 63.62,15.81 X1A1.1
Net-(C12-Pad1): length 5.4
  Top w0.127: R6.2 23.82,14.29 C12.1 23.82,16.57 R10.2
Net-(J1-GLED-): length 92.8
  Top w0.127: J1.10 3.6,25.45 3.59,25.46 15.27,37.15 68.61,37.15 69.78,38.31 85.15,38.31 86.99,36.47 87.03,36.47
  Top w0.3: 3.67,22.36 J1.10
Net-(J1-RCT): length 9.6
  Top w0.127: J1.5 14.51,19.06 14.51,19.87 15.02,20.38 17.68,20.38 18.7,21.4 C18.1
Net-(J1-TCT): length 5.2
  Top w0.127: C17.1 21,19.14 J1.4
Net-(J1-YLED-): length 26.3
  Top w0.127: R23.2 12.73,33.59 4.35,25.21 4.35,23.68 4.98,23.05 4.98,19.74 2.08,16.84 J1.11
Net-(U2-RBIAS): length 4.6
  Top w0.127: R1.2 75.09,23.9 v1(75.09,23.81) 75.09,23.55 76.15,22.49 77.18,22.49
Net-(U2-TPETXDN): length 7.2
  Top w0.127: 82.06,30.86 82.06,31.89 81.12,32.83 78.3,32.83 v1(77.75,33.37) R5.2
Net-(U2-TPETXDP): length 4.5
  Top w0.127: 83.36,30.86 v1(83.36,32.7) 83.36,32.85 R7.1 81.93,34.28 81.93,34.73
Net-(U2-TPETXN): length 4.8
  Top w0.127: 82.71,30.86 82.71,31.89 80.76,33.84 v1(80.68,33.84) 80.61,33.91 79.73,33.91
Net-(U2-TPETXP): length 9.5
  Top w0.127: 81.41,30.86 81.41,31.97 81.06,32.32 v1(76.23,32.32) 76.23,32.34 74.07,34.49
Net-(U2-XTAL1): length 19.5
  Top w0.127: X1A1.2 66.44,21.92 X1.3 66.44,21.77 67.47,22.79 C2.2 72.21,22.76 73.25,21.72 74.26,21.72 75.6,20.38 75.6,19.14 76.15,18.59 77.18,18.59
Net-(U2-XTAL2): length 4.3
  Top w0.127: R2.2 74.96,19.33 v1(74.96,19.24) 76.26,17.94 77.18,17.94

## Copper pours and planes (outline as drawn; the poured copper is in the pictures)
+5V on Top: 108.75,20.25 110.78,18.22 110.78,12.13 109.13,13.78 104.43,13.78 104.43,15.3 106.59,15.3 106.59,17.46 104.43,17.46 103.92,17.97 103.92,20.38 105.32,20.38 105.32,21.4 108.75,21.4
+5V on Top: 132.62,9.46 122.59,9.46 122.59,15.17 121.95,15.81 120.68,15.81 120.05,15.17 120.05,9.46 117.51,9.46 117.51,9.84 116.24,11.11 114.33,11.11 114.33,12.63 121.07,19.37 121.07,27.49 114.84,33.72 111.92,33.72 111.92,34.35 111.41,34.86 106.71,34.86 106.08,35.49 106.08,37.53 132.62,37.53
+5V on Top: 96.94,19.49 95.67,20.76 95.67,28 96.55,28.89 98.33,28.89 98.33,20 97.82,19.49
+5V on Top: 83.34,16.06 94.39,16.06 96.55,18.22 96.55,18.6 95.92,19.24 94.77,19.24 93.76,18.22 92.11,18.22 91.47,18.86 90.33,18.86 89.06,17.59 88.55,17.59 88.3,17.84 87.28,17.84 86.9,18.22 86.9,22.67 88.3,24.06 88.3,28.64 87.79,29.14 80.8,29.14 80.29,28.64 80.29,27.11 79.91,26.73 79.91,22.67 79.53,22.29 79.53,21.02 79.91,20.64 79.91,19.24 79.53,18.86 79.53,15.81 79.91,15.43 82.71,15.43
GND on Top: 109.51,27.75 109.51,27.11 108.87,26.48 108.87,25.59 108.11,24.83 104.3,24.83 103.03,23.56 103.03,23.05 102.02,23.05 102.02,29.4 99.35,32.07 99.35,33.72 103.54,33.72
GND on Bottom: 19.72,18.86 19.72,21.14 29.63,31.05 82.58,31.05 83.47,31.81 83.47,37.15 83.98,37.65 147.35,37.65 147.35,9.46 139.35,9.46 138.21,10.6 131.48,10.6 130.34,9.46 103.03,9.46 100.24,12.25 96.81,12.25 96.81,16.7 102.14,22.03 104.17,22.03 104.94,20.51 105.7,20.51 106.08,20.89 107.86,20.89 108.24,21.27 118.78,21.27 118.78,27.87 103.54,27.87 99.09,23.43 87.66,23.43 87.03,22.79 87.03,21.65 82.2,16.83 82.2,11.24 81.31,10.35 79.92,10.35 79.28,10.98 79.28,14.41 79.92,15.05 79.92,16.19 79.66,16.44 79.03,16.44 77.5,14.92 71.03,14.92 69.38,13.27 68.49,13.27 68.11,12.89 68.11,11.36 69.25,10.22 69.25,8.57 71.54,6.28 71.54,4.51 71.79,4.25 71.79,0.19 17.31,0.32 15.78,1.84 15.78,8.32 16.42,8.95 19.72,8.95 19.72,12.25 20.23,12.76 25.31,12.76 25.94,13.4 25.94,15.94 26.58,16.57 31.78,16.57 40.93,25.72 73.31,25.72 74.96,24.06 78.39,24.06 78.39,26.35 77,27.75 38.52,27.75 29.63,18.86
/SHIELD on Bottom: 1.17,0.19 10.44,0.19 12.1,1.84 12.1,10.22 17.81,10.22 17.94,27.11 12.1,27.11 12.1,37.02 10.44,38.67 1.17,38.67 0.41,37.91 0.41,0.95

## Text on the board
Bottom: 2024/01/01
Top: www.alxlab.com
F.Fab: MountingHole_3.2mm_M3_ISO14580_Pad_TopBottom | U2
F.Silkscreen: U2 | X1A | 6 | U1A | +
